# Altium PCB XTIDA-010086.PcbDoc (part 10 of 17) (continued)
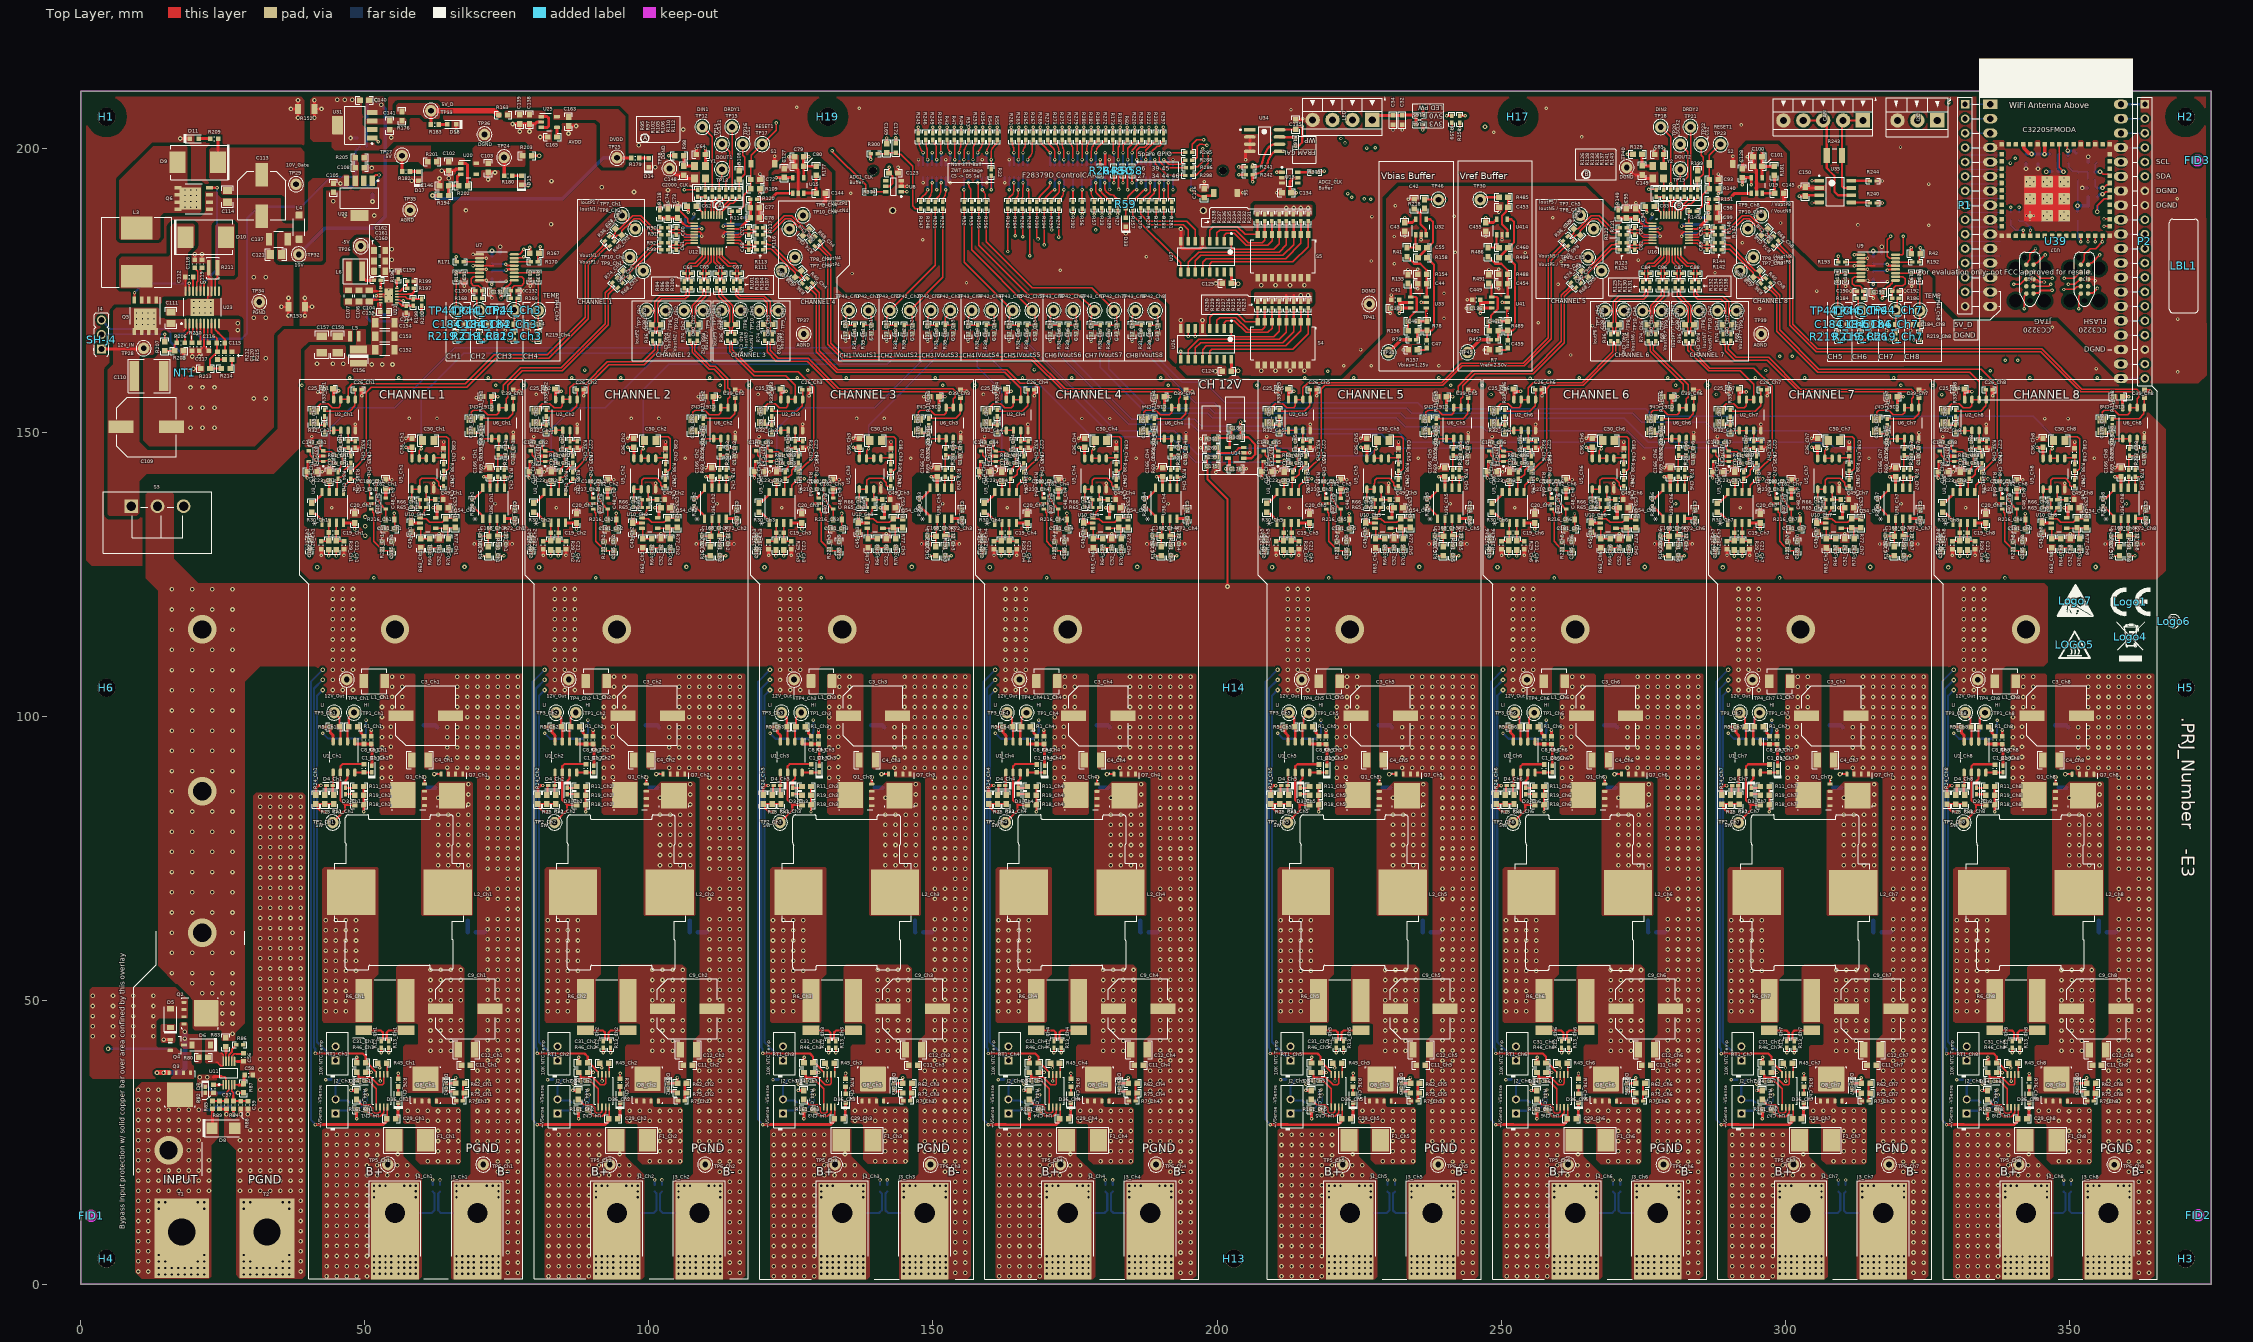
[diagram p0: Top Layer view]
## Nets (pads, with @x,y where several pads share a name; then routed paths per layer and width w, separated by ;. In a path a pad name is that pad's centre, name@x,y a point inside that pad or via, vN(x,y) a via of type N, cw(c..) or ccw(c..) an arc to the next point about the centre after c; other vN are vias at no path point) (continued)
  Top Layer w0.254: R71_Ch8.2@357.624,152.376 362.357,152.376 363.172,153.191 363.172,154.232 U6_Ch8.5@363.238,154.298 C39_Ch8.2@363.238,156.004
NetC42_1: C42.1 R218.2 U32.3 | length 6.8
  Top Layer w0.381: C42.1@234.694,189.347 234.694,189.322 235.422,188.594 235.799,188.594 ; R218.2@236.525,189.344 236.525,189.319 235.799,188.594 ; U32.3@236.867,184.72 236.757,184.83 236.757,185.67 235.799,186.628 235.799,188.594
NetC44_1: C44.1 R41.2 R154.2 U33.3 | length 9.2
  Top Layer w0.381: R41.2@233.453,180.876 234.701,179.628 235.799,179.628 236.927,178.5 R154.2@236.927,177.763
  Top Layer w0.508: U33.3@236.825,173.761 236.927,173.863 C44.1@236.927,176.11 R154.2@236.927,177.763
NetC46_1: C46.1 R78.1 U33.1 | length 4.1
  Top Layer w0.381: C46.1@235.244,169.509 R78.1@236.925,169.509 ; U33.1@236.825,171.861 236.825,169.61 R78.1@236.925,169.509 ; R78.1@236.958,169.476 R78.1@236.925,169.509
NetC46_2: C46.2 R155.2 R156.1 U33.4 | length 10.1
  Top Layer w0.381: R155.2@233.611,176.141 234.094,175.658 U33.4@234.094,173.761 234.996,173.761 235.151,173.605 235.151,171.413 233.953,170.214 233.953,169.794 233.669,169.509 C46.2@233.644,169.509 R156.1@233.644,167.844
NetC47_1: C47.1 R78.2 R79.1 R156.2 R158.2 | length 19.4
  Top Layer w0.381: R79.1@235.094,166.258 235.244,166.407 R156.2@235.244,167.844 235.276,167.876 R78.2@236.958,167.876 ; C47.1@236.927,166.196 236.958,166.227 R78.2@236.958,167.876 ; R158.2@236.971,180.711 238.177,179.504 238.177,168.271 237.782,167.876 R78.2@236.958,167.876
NetC47_2: C47.2 R157.2 | length 1.8
  Top Layer w0.381: R157.2@235.244,164.455 236.586,164.455 C47.2@236.927,164.796
NetC48_Ch1_1: C48_Ch1.1 R67_Ch1.1 U5_Ch1.1 U5_Ch1.2 | length 10.1
  Top Layer w0.254: C48_Ch1.1@58.281,138.02 58.287,138.025 58.287,139.921 U5_Ch1.1@58.293,139.927 U5_Ch1.2@59.563,139.927 59.629,139.993 59.629,140.957 59.637,140.965 59.637,141.489 60.009,141.861 62.289,141.861 63.031,141.12 63.031,140.652 63.181,140.502 R67_Ch1.1@63.833,140.502 ; R67_Ch1.1@63.833,140.452 R67_Ch1.1@63.833,140.502 ; R67_Ch1.1@63.833,140.552 R67_Ch1.1@63.833,140.502
NetC48_Ch1_2: C48_Ch1.2 R65_Ch1.2 R66_Ch1.1 | length 2.7
  Top Layer w0.254: C48_Ch1.2@58.331,136.77 59.588,136.77 59.637,136.82 R66_Ch1.1@59.637,138.118
  Top Layer w0.381: C48_Ch1.2@58.281,136.82 C48_Ch1.2@58.331,136.77
NetC48_Ch2_1: C48_Ch2.1 R67_Ch2.1 U5_Ch2.1 U5_Ch2.2 | length 10.1
  Top Layer w0.254: C48_Ch2.1@97.347,138.018 97.352,138.023 97.352,139.919 U5_Ch2.1@97.358,139.925 U5_Ch2.2@98.628,139.925 98.694,139.991 98.694,140.955 98.702,140.963 98.702,141.487 99.074,141.859 101.354,141.859 102.096,141.118 102.096,140.65 102.246,140.5 R67_Ch2.1@102.899,140.5 ; R67_Ch2.1@102.899,140.45 R67_Ch2.1@102.899,140.5 ; R67_Ch2.1@102.899,140.55 R67_Ch2.1@102.899,140.5
NetC48_Ch2_2: C48_Ch2.2 R65_Ch2.2 R66_Ch2.1 | length 2.7
  Top Layer w0.254: C48_Ch2.2@97.396,136.768 98.653,136.768 98.702,136.818 R66_Ch2.1@98.702,138.116
  Top Layer w0.381: C48_Ch2.2@97.347,136.818 C48_Ch2.2@97.396,136.768
NetC48_Ch3_1: C48_Ch3.1 R67_Ch3.1 U5_Ch3.1 U5_Ch3.2 | length 10.1
  Top Layer w0.254: C48_Ch3.1@137.021,138.016 137.027,138.021 137.027,139.917 U5_Ch3.1@137.033,139.923 U5_Ch3.2@138.303,139.923 138.369,139.989 138.369,140.953 138.377,140.961 138.377,141.485 138.749,141.857 141.029,141.857 141.771,141.116 141.771,140.648 141.921,140.498 R67_Ch3.1@142.573,140.498 ; R67_Ch3.1@142.573,140.448 R67_Ch3.1@142.573,140.498 ; R67_Ch3.1@142.573,140.548 R67_Ch3.1@142.573,140.498
NetC48_Ch3_2: C48_Ch3.2 R65_Ch3.2 R66_Ch3.1 | length 2.7
  Top Layer w0.254: C48_Ch3.2@137.071,136.766 138.328,136.766 138.377,136.816 R66_Ch3.1@138.377,138.114
  Top Layer w0.381: C48_Ch3.2@137.021,136.816 C48_Ch3.2@137.071,136.766
NetC48_Ch4_1: C48_Ch4.1 R67_Ch4.1 U5_Ch4.1 U5_Ch4.2 | length 10.1
  Top Layer w0.254: C48_Ch4.1@176.696,138.014 176.702,138.019 176.702,139.915 U5_Ch4.1@176.708,139.921 U5_Ch4.2@177.978,139.921 178.044,139.987 178.044,140.951 178.052,140.959 178.052,141.483 178.424,141.855 180.704,141.855 181.445,141.114 181.445,140.646 181.596,140.496 R67_Ch4.1@182.248,140.496 ; R67_Ch4.1@182.248,140.446 R67_Ch4.1@182.248,140.496 ; R67_Ch4.1@182.248,140.546 R67_Ch4.1@182.248,140.496
NetC48_Ch4_2: C48_Ch4.2 R65_Ch4.2 R66_Ch4.1 | length 2.7
  Top Layer w0.254: C48_Ch4.2@176.745,136.764 178.003,136.764 178.052,136.814 R66_Ch4.1@178.052,138.112
  Top Layer w0.381: C48_Ch4.2@176.696,136.814 C48_Ch4.2@176.745,136.764
NetC48_Ch5_1: C48_Ch5.1 R67_Ch5.1 U5_Ch5.1 U5_Ch5.2 | length 10.1
  Top Layer w0.254: C48_Ch5.1@226.371,138.012 226.377,138.017 226.377,139.913 U5_Ch5.1@226.383,139.919 U5_Ch5.2@227.653,139.919 227.719,139.985 227.719,140.949 227.727,140.957 227.727,141.481 228.099,141.853 230.379,141.853 231.12,141.112 231.12,140.644 231.27,140.494 R67_Ch5.1@231.923,140.494 ; R67_Ch5.1@231.923,140.444 R67_Ch5.1@231.923,140.494 ; R67_Ch5.1@231.923,140.544 R67_Ch5.1@231.923,140.494
NetC48_Ch5_2: C48_Ch5.2 R65_Ch5.2 R66_Ch5.1 | length 2.7
  Top Layer w0.254: C48_Ch5.2@226.42,136.762 227.677,136.762 227.727,136.812 R66_Ch5.1@227.727,138.11
  Top Layer w0.381: C48_Ch5.2@226.371,136.812 C48_Ch5.2@226.42,136.762
NetC48_Ch6_1: C48_Ch6.1 R67_Ch6.1 U5_Ch6.1 U5_Ch6.2 | length 10.1
  Top Layer w0.254: C48_Ch6.1@266.046,138.01 266.052,138.015 266.052,139.911 U5_Ch6.1@266.057,139.917 U5_Ch6.2@267.327,139.917 267.394,139.983 267.394,140.947 267.402,140.955 267.402,141.479 267.774,141.851 270.053,141.851 270.795,141.11 270.795,140.642 270.945,140.492 R67_Ch6.1@271.598,140.492 ; R67_Ch6.1@271.598,140.442 R67_Ch6.1@271.598,140.492 ; R67_Ch6.1@271.598,140.542 R67_Ch6.1@271.598,140.492
NetC48_Ch6_2: C48_Ch6.2 R65_Ch6.2 R66_Ch6.1 | length 2.7
  Top Layer w0.254: C48_Ch6.2@266.095,136.76 267.352,136.76 267.402,136.81 R66_Ch6.1@267.402,138.108
  Top Layer w0.381: C48_Ch6.2@266.046,136.81 C48_Ch6.2@266.095,136.76
NetC48_Ch7_1: C48_Ch7.1 R67_Ch7.1 U5_Ch7.1 U5_Ch7.2 | length 10.1
  Top Layer w0.254: C48_Ch7.1@305.721,138.008 305.726,138.013 305.726,139.909 U5_Ch7.1@305.732,139.915 U5_Ch7.2@307.002,139.915 307.068,139.981 307.068,140.945 307.076,140.953 307.076,141.477 307.448,141.849 309.728,141.849 310.47,141.108 310.47,140.64 310.62,140.49 R67_Ch7.1@311.273,140.49 ; R67_Ch7.1@311.273,140.44 R67_Ch7.1@311.273,140.49 ; R67_Ch7.1@311.273,140.54 R67_Ch7.1@311.273,140.49
NetC48_Ch7_2: C48_Ch7.2 R65_Ch7.2 R66_Ch7.1 | length 2.7
  Top Layer w0.254: C48_Ch7.2@305.77,136.758 307.027,136.758 307.076,136.808 R66_Ch7.1@307.076,138.106
  Top Layer w0.381: C48_Ch7.2@305.721,136.808 C48_Ch7.2@305.77,136.758
NetC48_Ch8_1: C48_Ch8.1 R67_Ch8.1 U5_Ch8.1 U5_Ch8.2 | length 10.1
  Top Layer w0.254: C48_Ch8.1@345.395,138.006 345.401,138.011 345.401,139.907 U5_Ch8.1@345.407,139.913 U5_Ch8.2@346.677,139.913 346.743,139.979 346.743,140.943 346.751,140.951 346.751,141.475 347.123,141.847 349.403,141.847 350.145,141.106 350.145,140.638 350.295,140.488 R67_Ch8.1@350.947,140.488 ; R67_Ch8.1@350.947,140.438 R67_Ch8.1@350.947,140.488 ; R67_Ch8.1@350.947,140.538 R67_Ch8.1@350.947,140.488
NetC48_Ch8_2: C48_Ch8.2 R65_Ch8.2 R66_Ch8.1 | length 2.7
  Top Layer w0.254: C48_Ch8.2@345.445,136.756 346.702,136.756 346.751,136.806 R66_Ch8.1@346.751,138.104
  Top Layer w0.381: C48_Ch8.2@345.395,136.806 C48_Ch8.2@345.445,136.756
NetC49_Ch1_2: C49_Ch1.2 R66_Ch1.2 U5_Ch1.3 | length 3.3
  Top Layer w0.254: U5_Ch1.3@60.833,139.927 60.833,138.122 R66_Ch1.2@60.837,138.118 C49_Ch1.2@62.356,138.118
NetC49_Ch2_2: C49_Ch2.2 R66_Ch2.2 U5_Ch2.3 | length 3.3
  Top Layer w0.254: U5_Ch2.3@99.898,139.925 99.898,138.12 R66_Ch2.2@99.902,138.116 C49_Ch2.2@101.421,138.116
NetC49_Ch3_2: C49_Ch3.2 R66_Ch3.2 U5_Ch3.3 | length 3.3
  Top Layer w0.254: U5_Ch3.3@139.573,139.923 139.573,138.118 R66_Ch3.2@139.577,138.114 C49_Ch3.2@141.096,138.114
NetC49_Ch4_2: C49_Ch4.2 R66_Ch4.2 U5_Ch4.3 | length 3.3
  Top Layer w0.254: U5_Ch4.3@179.248,139.921 179.248,138.116 R66_Ch4.2@179.252,138.112 C49_Ch4.2@180.77,138.112
NetC49_Ch5_2: C49_Ch5.2 R66_Ch5.2 U5_Ch5.3 | length 3.3
  Top Layer w0.254: U5_Ch5.3@228.923,139.919 228.923,138.114 R66_Ch5.2@228.927,138.11 C49_Ch5.2@230.445,138.11
NetC49_Ch6_2: C49_Ch6.2 R66_Ch6.2 U5_Ch6.3 | length 3.3
  Top Layer w0.254: U5_Ch6.3@268.597,139.917 268.597,138.112 R66_Ch6.2@268.602,138.108 C49_Ch6.2@270.12,138.108
NetC49_Ch7_2: C49_Ch7.2 R66_Ch7.2 U5_Ch7.3 | length 3.3
  Top Layer w0.254: U5_Ch7.3@308.272,139.915 308.272,138.11 R66_Ch7.2@308.276,138.106 C49_Ch7.2@309.795,138.106
NetC49_Ch8_2: C49_Ch8.2 R66_Ch8.2 U5_Ch8.3 | length 3.3
  Top Layer w0.254: U5_Ch8.3@347.947,139.913 347.947,138.108 R66_Ch8.2@347.951,138.104 C49_Ch8.2@349.47,138.104
NetC50_Ch1_1: C50_Ch1.1 R39_Ch1.1 U5_Ch1.6 U5_Ch1.7 | length 97.5
  Top Layer w0.254: v2@59.911,147.08 59.563,146.733 U5_Ch1.7@59.563,145.377 U5_Ch1.6@60.833,145.377 ; v2(59.912,147.082) 59.912,148.253 C50_Ch1.1@60.147,148.488 ; v2(137.77,165.826) R39_Ch1.1@137.77,167.611
  Bottom Layer w0.254: v2(59.912,147.082) 59.912,156.407 67.412,163.906 135.85,163.906 v2(137.77,165.826)
NetC50_Ch1_2: C50_Ch1.2 R38_Ch1.1 R67_Ch1.2 | length 10.9
  Top Layer w0.254: C50_Ch1.2@62.179,148.488 62.179,148.653 62.687,149.161 64.347,149.161 64.719,148.79 64.719,143.551 64.347,143.179 R38_Ch1.1@63.857,143.179 63.845,143.167 63.845,141.664 R67_Ch1.2@63.833,141.652
NetC50_Ch2_1: C50_Ch2.1 R39_Ch2.1 U5_Ch2.6 U5_Ch2.7 | length 66.7
  Top Layer w0.254: v2@98.976,147.078 98.628,146.731 U5_Ch2.7@98.628,145.375 U5_Ch2.6@99.898,145.375 ; v2(98.977,147.08) 98.977,148.251 C50_Ch2.1@99.212,148.486 ; v2(144.958,166.001) 144.965,166.007 144.965,167.604 R39_Ch2.1@144.971,167.611
  Bottom Layer w0.254: v2(98.977,147.08) 98.977,157.411 103.491,161.925 141.935,161.925 144.958,164.948 v2(144.958,166.001)
NetC50_Ch2_2: C50_Ch2.2 R38_Ch2.1 R67_Ch2.2 | length 10.7
  Top Layer w0.254: C50_Ch2.2@101.168,148.911 101.417,149.16 103.412,149.16 103.784,148.788 103.784,143.549 103.412,143.177 R38_Ch2.1@102.922,143.177 102.911,143.165 102.911,141.662 R67_Ch2.2@102.899,141.65
NetC50_Ch3_1: C50_Ch3.1 R39_Ch3.1 U5_Ch3.6 U5_Ch3.7 | length 30.8
  Top Layer w0.254: v2@138.651,147.076 138.303,146.729 U5_Ch3.7@138.303,145.373 U5_Ch3.6@139.573,145.373 ; v2(138.652,147.078) 138.652,148.249 C50_Ch3.1@138.887,148.484 ; R39_Ch3.1@152.173,167.611 152.187,167.597 152.187,166.014 v2(152.2,166.001)
  Bottom Layer w0.254: v2(138.652,147.078) 138.652,151.225 152.2,164.773 v2(152.2,166.001)
NetC50_Ch3_2: C50_Ch3.2 R38_Ch3.1 R67_Ch3.2 | length 10.7
  Top Layer w0.254: C50_Ch3.2@140.843,148.909 141.092,149.158 143.087,149.158 143.459,148.786 143.459,143.547 143.087,143.175 R38_Ch3.1@142.597,143.175 142.585,143.163 142.585,141.66 R67_Ch3.2@142.573,141.648
NetC50_Ch4_1: C50_Ch4.1 R39_Ch4.1 U5_Ch4.6 U5_Ch4.7 | length 35.3
  Top Layer w0.254: v2@159.375,166.028 R39_Ch4.1@159.375,167.611 ; v2@178.325,147.074 177.978,146.727 U5_Ch4.7@177.978,145.371 U5_Ch4.6@179.248,145.371 ; v2(178.327,147.076) 178.327,148.247 C50_Ch4.1@178.562,148.482
  Bottom Layer w0.254: v2(159.37,166.001) 159.37,163.822 165.204,157.988 169.164,157.988 178.327,148.825 v2(178.327,147.076)
NetC50_Ch4_2: C50_Ch4.2 R38_Ch4.1 R67_Ch4.2 | length 10.7
  Top Layer w0.254: C50_Ch4.2@180.518,148.909 180.766,149.158 182.762,149.158 183.134,148.786 183.134,143.547 182.762,143.175 182.272,143.175 182.26,143.163 182.26,141.66 R67_Ch4.2@182.248,141.646
NetC50_Ch5_1: C50_Ch5.1 R39_Ch5.1 U5_Ch5.6 U5_Ch5.7 | length 77.5
  Top Layer w0.254: v2@166.576,166.028 R39_Ch5.1@166.576,167.611 ; v2@228,147.072 227.653,146.725 U5_Ch5.7@227.653,145.369 U5_Ch5.6@228.923,145.369 ; v2(228.002,147.074) 228.002,148.245 C50_Ch5.1@228.237,148.48
  Bottom Layer w0.254: v2(166.572,166.001) 166.572,165.76 182.142,150.19 192.491,150.19 196.555,146.126 203.302,146.126 204.302,147.126 214.463,147.126 215.799,145.789 226.717,145.789 v2(228.002,147.074)
NetC50_Ch5_2: C50_Ch5.2 R38_Ch5.1 R67_Ch5.2 | length 10.7
  Top Layer w0.254: C50_Ch5.2@230.193,148.909 230.441,149.158 232.437,149.158 232.809,148.786 232.809,143.547 232.437,143.175 231.947,143.175 231.935,143.163 231.935,141.66 R67_Ch5.2@231.923,141.648
NetC50_Ch6_1: C50_Ch6.1 R39_Ch6.1 U5_Ch6.6 U5_Ch6.7 | length 109.7
  Top Layer w0.254: v2@173.778,166.028 R39_Ch6.1@173.778,167.611 ; v2@267.675,147.07 267.327,146.723 U5_Ch6.7@267.327,145.367 U5_Ch6.6@268.597,145.367 ; v2(267.676,147.072) 267.676,148.243 C50_Ch6.1@267.912,148.478
  Bottom Layer w0.254: v2(173.774,166.001) 173.774,163.497 185.023,152.248 196.113,152.248 197.349,151.012 211.351,151.012 211.871,150.493 231.437,150.493 233.687,148.243 267.039,148.243 267.608,147.674 267.608,147.14 v2(267.676,147.072)
NetC50_Ch6_2: C50_Ch6.2 R38_Ch6.1 R67_Ch6.2 | length 10.7
  Top Layer w0.254: C50_Ch6.2@269.867,148.909 270.116,149.158 272.112,149.158 272.484,148.786 272.484,143.547 272.112,143.175 271.622,143.175 271.61,143.163 271.61,141.66 R67_Ch6.2@271.598,141.648
NetC50_Ch7_1: C50_Ch7.1 R39_Ch7.1 U5_Ch7.6 U5_Ch7.7 | length 143.3
  Top Layer w0.254: v2@180.98,166.028 R39_Ch7.1@180.98,167.611 ; v2@307.35,147.068 307.002,146.721 U5_Ch7.7@307.002,145.365 U5_Ch7.6@308.272,145.365 ; v2(307.351,147.07) 307.351,148.241 C50_Ch7.1@307.586,148.476
  Bottom Layer w0.254: v2(180.975,166.001) 180.975,161.101 187.873,154.203 198.766,154.203 199.629,153.34 232.308,153.34 233.223,152.425 271.689,152.425 275.875,148.239 306.153,148.239 307.351,147.041 v2(307.351,147.07)
NetC50_Ch7_2: C50_Ch7.2 R38_Ch7.1 R67_Ch7.2 | length 10.7
  Top Layer w0.254: C50_Ch7.2@309.542,148.909 309.791,149.158 311.786,149.158 312.158,148.786 312.158,143.547 311.786,143.175 311.296,143.175 311.285,143.163 311.285,141.66 R67_Ch7.2@311.273,141.648
NetC50_Ch8_1: C50_Ch8.1 R39_Ch8.1 U5_Ch8.6 U5_Ch8.7 | length 175.1
  Top Layer w0.254: v2@188.181,166.028 R39_Ch8.1@188.181,167.611 ; v2@347.025,147.066 346.677,146.719 U5_Ch8.7@346.677,145.363 U5_Ch8.6@347.947,145.363 ; v2(347.026,147.068) 347.026,148.239 C50_Ch8.1@347.261,148.474
  Bottom Layer w0.254: v2(188.177,166.001) 188.177,164.504 193.88,158.801 197.815,158.801 201.439,155.177 235.297,155.177 236.372,154.102 275.463,154.102 276.809,152.756 343.66,152.756 347.026,149.39 v2(347.026,147.068)
NetC50_Ch8_2: C50_Ch8.2 R38_Ch8.1 R67_Ch8.2 | length 10.7
  Top Layer w0.254: C50_Ch8.2@349.217,148.909 349.466,149.158 351.461,149.158 351.833,148.786 351.833,143.547 351.461,143.175 350.971,143.175 350.959,143.163 350.959,141.66 R67_Ch8.2@350.947,141.648
NetC51_1: C51.1 R159.2 U7.6 | length 4.1
  Top Layer w0.254: R159.2@66.088,177.962 66.138,178.012 U7.6@70.188,178.012
NetC54_Ch1_1: C54_Ch1.1 R70_Ch1.2 R77_Ch1.1 U10_Ch1.4 | length 5.7
  Top Layer w0.254: U10_Ch1.4@62.462,133.046 64.117,133.046 R77_Ch1.1@64.262,133.191 ; R70_Ch1.2@64.719,131.209 64.61,131.318 64.61,132.843 R77_Ch1.1@64.262,133.191 ; C54_Ch1.1@65.913,133.191 R77_Ch1.1@64.262,133.191
NetC54_Ch1_2: C54_Ch1.2 R65_Ch1.1 R77_Ch1.2 U10_Ch1.1 | length 9.3
  Top Layer w0.254: R65_Ch1.1@60.837,136.721 60.737,136.721 60.564,136.548 60.564,136.176 60.356,135.968 60.356,135.699 60.085,135.428 60.085,135.119 59.912,134.946 U10_Ch1.1@59.712,134.946 59.885,134.773 60.775,134.773 61.443,134.105 63.576,134.105 63.889,134.418 63.914,134.418 64.262,134.766 R77_Ch1.2@64.262,134.791 C54_Ch1.2@65.913,134.791
NetC54_Ch2_1: C54_Ch2.1 R70_Ch2.2 R77_Ch2.1 U10_Ch2.4 | length 5.7
  Top Layer w0.254: U10_Ch2.4@101.527,133.044 103.183,133.044 R77_Ch2.1@103.327,133.189 ; R70_Ch2.2@103.784,131.207 103.675,131.316 103.675,132.841 R77_Ch2.1@103.327,133.189 ; C54_Ch2.1@104.978,133.189 R77_Ch2.1@103.327,133.189
NetC54_Ch2_2: C54_Ch2.2 R65_Ch2.1 R77_Ch2.2 U10_Ch2.1 | length 9.3
  Top Layer w0.254: R65_Ch2.1@99.902,136.719 99.802,136.719 99.629,136.546 99.629,136.174 99.421,135.966 99.421,135.697 99.15,135.426 99.15,135.117 98.977,134.944 U10_Ch2.1@98.777,134.944 98.95,134.771 99.84,134.771 100.508,134.103 102.642,134.103 102.954,134.416 102.979,134.416 103.327,134.764 R77_Ch2.2@103.327,134.789 C54_Ch2.2@104.978,134.789
NetC54_Ch3_1: C54_Ch3.1 R70_Ch3.2 R77_Ch3.1 U10_Ch3.4 | length 5.7
  Top Layer w0.254: U10_Ch3.4@141.202,133.042 142.857,133.042 R77_Ch3.1@143.002,133.187 ; R70_Ch3.2@143.459,131.205 143.35,131.314 143.35,132.839 R77_Ch3.1@143.002,133.187 ; C54_Ch3.1@144.653,133.187 R77_Ch3.1@143.002,133.187
NetC54_Ch3_2: C54_Ch3.2 R65_Ch3.1 R77_Ch3.2 U10_Ch3.1 | length 9.3
  Top Layer w0.254: R65_Ch3.1@139.577,136.717 139.477,136.717 139.304,136.544 139.304,136.172 139.096,135.964 139.096,135.695 138.825,135.424 138.825,135.115 138.652,134.942 U10_Ch3.1@138.452,134.942 138.625,134.769 139.515,134.769 140.183,134.101 142.316,134.101 142.629,134.414 142.654,134.414 143.002,134.762 R77_Ch3.2@143.002,134.787 C54_Ch3.2@144.653,134.787
NetC54_Ch4_1: C54_Ch4.1 R70_Ch4.2 R77_Ch4.1 U10_Ch4.4 | length 5.7
  Top Layer w0.254: U10_Ch4.4@180.877,133.04 182.532,133.04 R77_Ch4.1@182.677,133.185 ; R70_Ch4.2@183.134,131.203 183.025,131.312 183.025,132.837 R77_Ch4.1@182.677,133.185 ; C54_Ch4.1@184.328,133.185 R77_Ch4.1@182.677,133.185
NetC54_Ch4_2: C54_Ch4.2 R65_Ch4.1 R77_Ch4.2 U10_Ch4.1 | length 9.3
  Top Layer w0.254: R65_Ch4.1@179.252,136.715 179.152,136.715 178.979,136.542 178.979,136.17 178.771,135.962 178.771,135.693 178.5,135.422 178.5,135.113 178.327,134.94 U10_Ch4.1@178.127,134.94 178.3,134.767 179.189,134.767 179.857,134.099 181.991,134.099 182.304,134.412 182.329,134.412 182.677,134.76 R77_Ch4.2@182.677,134.785 C54_Ch4.2@184.328,134.785
NetC54_Ch5_1: C54_Ch5.1 R70_Ch5.2 R77_Ch5.1 U10_Ch5.4 | length 5.7
  Top Layer w0.254: U10_Ch5.4@230.552,133.038 232.207,133.038 R77_Ch5.1@232.352,133.183 ; R70_Ch5.2@232.809,131.201 232.7,131.31 232.7,132.835 R77_Ch5.1@232.352,133.183 ; C54_Ch5.1@234.003,133.183 R77_Ch5.1@232.352,133.183
NetC54_Ch5_2: C54_Ch5.2 R65_Ch5.1 R77_Ch5.2 U10_Ch5.1 | length 9.3
  Top Layer w0.254: R65_Ch5.1@228.927,136.713 228.827,136.713 228.654,136.54 228.654,136.168 228.446,135.96 228.446,135.691 228.175,135.42 228.175,135.111 228.002,134.938 U10_Ch5.1@227.802,134.938 227.975,134.765 228.864,134.765 229.532,134.097 231.666,134.097 231.979,134.41 232.004,134.41 232.352,134.758 R77_Ch5.2@232.352,134.783 C54_Ch5.2@234.003,134.783
NetC54_Ch6_1: C54_Ch6.1 R70_Ch6.2 R77_Ch6.1 U10_Ch6.4 | length 5.7
  Top Layer w0.254: U10_Ch6.4@270.226,133.036 271.882,133.036 R77_Ch6.1@272.026,133.181 ; R70_Ch6.2@272.484,131.199 272.374,131.308 272.374,132.833 R77_Ch6.1@272.026,133.181 ; C54_Ch6.1@273.677,133.181 R77_Ch6.1@272.026,133.181
NetC54_Ch6_2: C54_Ch6.2 R65_Ch6.1 R77_Ch6.2 U10_Ch6.1 | length 9.3
  Top Layer w0.254: R65_Ch6.1@268.602,136.711 268.502,136.711 268.329,136.538 268.329,136.166 268.121,135.958 268.121,135.689 267.849,135.418 267.849,135.109 267.676,134.936 U10_Ch6.1@267.476,134.936 267.649,134.763 268.539,134.763 269.207,134.095 271.341,134.095 271.653,134.408 271.678,134.408 272.026,134.756 R77_Ch6.2@272.026,134.781 C54_Ch6.2@273.677,134.781
NetC54_Ch7_1: C54_Ch7.1 R70_Ch7.2 R77_Ch7.1 U10_Ch7.4 | length 5.7
  Top Layer w0.254: U10_Ch7.4@309.901,133.034 311.557,133.034 R77_Ch7.1@311.701,133.179 ; R70_Ch7.2@312.158,131.197 312.049,131.306 312.049,132.831 R77_Ch7.1@311.701,133.179 ; C54_Ch7.1@313.352,133.179 R77_Ch7.1@311.701,133.179
NetC54_Ch7_2: C54_Ch7.2 R65_Ch7.1 R77_Ch7.2 U10_Ch7.1 | length 9.3
  Top Layer w0.254: R65_Ch7.1@308.276,136.709 308.176,136.709 308.003,136.536 308.003,136.164 307.795,135.956 307.795,135.687 307.524,135.416 307.524,135.107 307.351,134.934 U10_Ch7.1@307.151,134.934 307.324,134.761 308.214,134.761 308.882,134.093 311.016,134.093 311.328,134.406 311.353,134.406 311.701,134.754 R77_Ch7.2@311.701,134.779 C54_Ch7.2@313.352,134.779
NetC54_Ch8_1: C54_Ch8.1 R70_Ch8.2 R77_Ch8.1 U10_Ch8.4 | length 5.7
  Top Layer w0.254: U10_Ch8.4@349.576,133.032 351.231,133.032 R77_Ch8.1@351.376,133.177 ; R70_Ch8.2@351.833,131.195 351.724,131.304 351.724,132.829 R77_Ch8.1@351.376,133.177 ; C54_Ch8.1@353.027,133.177 R77_Ch8.1@351.376,133.177
NetC54_Ch8_2: C54_Ch8.2 R65_Ch8.1 R77_Ch8.2 U10_Ch8.1 | length 9.3
  Top Layer w0.254: R65_Ch8.1@347.951,136.707 347.851,136.707 347.678,136.534 347.678,136.162 347.47,135.954 347.47,135.685 347.199,135.414 347.199,135.105 347.026,134.932 U10_Ch8.1@346.826,134.932 346.999,134.759 347.889,134.759 348.557,134.091 350.69,134.091 351.003,134.404 351.028,134.404 351.376,134.752 R77_Ch8.2@351.376,134.777 C54_Ch8.2@353.027,134.777
NetC55_1: C55.1 R41.1 U32.1 | length 4.3
  Top Layer w0.381: R41.1@233.453,182.476 C55.1@235.371,182.476 234.967,182.88 U32.1@234.967,184.72
NetC55_2: C55.2 R158.1 U32.4 | length 8.7
  Top Layer w0.381: R158.1@235.371,180.711 238.005,183.345 238.005,187.013 237.548,187.47 U32.4@236.867,187.47
NetC56_2: C56.2 U11.7 | length 3.2
  Top Layer w0.254: U11.7@26.543,39.23 26.543,39.955 26.566,39.978 26.566,40.127 26.977,40.538 27.407,40.538
  Top Layer w0.381: 27.407,40.538 28.555,40.538 C56.2@28.634,40.618
NetC58_1: C58.1 R87.1 U11.5 | length 3.3
  Top Layer w0.254: U11.5@27.043,35.13 27.093,35.08 27.762,35.08
  Top Layer w0.508: 27.762,35.08 R87.1@28.634,35.08 ; R87.1@28.626,35.293 28.753,35.42 28.753,36.717 C58.1@28.878,36.843
NetC60_1: C60.1 R90.2 U12.29 | length 5.4
  Top Layer w0.254: R90.2@103.397,185.957 103.743,185.611 104.457,185.611 C60.1@104.803,185.957 105.149,185.611 105.697,185.611 106.54,184.768 107.148,184.768 107.152,184.764 U12.29@107.979,184.764
NetC60_2: C60.2 R91.2 U12.30 | length 5.4
  Top Layer w0.254: R91.2@103.397,184.733 103.767,185.103 104.457,185.103 C60.2@104.803,184.757 105.149,185.103 105.486,185.103 106.329,184.26 107.148,184.26 107.152,184.264 U12.30@107.979,184.264
NetC61_1: C61.1 R92.2 U12.31 | length 5.4
  Top Layer w0.254: R92.2@103.397,183.295 103.767,182.925 104.457,182.925 C61.1@104.803,183.271 105.149,182.925 105.486,182.925 106.329,183.768 107.148,183.768 107.152,183.764 U12.31@107.979,183.764
NetC61_2: C61.2 R93.2 U12.32 | length 5.4
  Top Layer w0.254: R93.2@103.397,182.071 103.743,182.417 104.457,182.417 C61.2@104.803,182.071 105.149,182.417 105.697,182.417 106.54,183.26 107.148,183.26 107.152,183.264 U12.32@107.979,183.264
NetC62_2: C62.2 U12.24 | length 2
  Top Layer w0.254: 108.981,189.145 109.429,188.697 U12.24@109.429,188.214
  Top Layer w0.381: C62.2@108.309,189.713 108.413,189.713 108.981,189.145
NetC63_1: C63.1 R94.2 U12.1 | length 7.5
  Top Layer w0.254: R94.2@106.237,176.505 106.593,176.861 106.593,177.566 C63.1@106.247,177.912 106.593,178.258 106.593,179.135 107.181,179.723 108.165,179.723 109.429,180.987 U12.1@109.429,181.814
NetC63_2: C63.2 R96.2 U12.2 | length 7.5
  Top Layer w0.254: R96.2@107.456,176.505 107.101,176.861 107.101,177.565 C63.2@107.447,177.912 107.101,178.257 107.101,178.924 107.391,179.215 108.375,179.215 109.937,180.776 109.937,180.987 ; U12.2@109.929,181.814 109.929,180.987 109.933,180.983
NetC65_1: C65.1 R99.2 U12.3 | length 6.3
  Top Layer w0.254: R99.2@109.158,176.505 109.516,176.863 109.516,177.577 C65.1@109.182,177.912 109.528,178.258 109.528,179.269 110.435,180.176 110.435,181.127 110.439,181.131 U12.3@110.439,181.958
NetC65_2: C65.2 R100.2 U12.4 | length 6.3
  Top Layer w0.254: R100.2@110.382,176.505 110.024,176.863 110.024,177.554 C65.2@110.382,177.912 110.036,178.257 110.036,179.058 110.943,179.966 110.943,181.127 110.939,181.131 U12.4@110.939,181.958
NetC66_1: C66.1 R101.2 U12.5 | length 6.3
  Top Layer w0.254: U12.5@111.418,181.958 111.418,181.131 111.414,181.127 111.414,179.966 112.322,179.058 112.322,178.257 C66.1@111.976,177.912 112.334,177.554 112.334,176.863 R101.2@111.976,176.505
NetC66_2: C66.2 R103.2 U12.6 | length 6.3
  Top Layer w0.254: U12.6@111.918,181.958 111.918,181.131 111.922,181.127 111.922,180.176 112.83,179.269 112.83,178.258 C66.2@113.176,177.912 112.842,177.577 112.842,176.863 R103.2@113.2,176.505
NetC67_1: C67.1 R104.2 U12.7 | length 7.5
  Top Layer w0.254: 112.421,180.987 112.421,180.776 113.982,179.215 114.966,179.215 115.257,178.924 115.257,178.257 C67.1@114.911,177.912 115.257,177.565 115.257,176.861 R104.2@114.901,176.505 ; 112.425,180.983 112.429,180.987 U12.7@112.429,181.814
NetC67_2: C67.2 R107.2 U12.8 | length 7.5
  Top Layer w0.254: U12.8@112.929,181.814 112.929,180.987 114.193,179.723 115.177,179.723 115.765,179.135 115.765,178.258 C67.2@116.111,177.912 115.765,177.566 115.765,176.861 R107.2@116.121,176.505
NetC68_1: C68.1 R111.2 U12.9 | length 5.4
  Top Layer w0.254: U12.9@114.379,183.264 115.206,183.264 115.21,183.26 115.818,183.26 116.661,182.417 117.208,182.417 C68.1@117.554,182.071 117.9,182.417 118.615,182.417 R111.2@118.961,182.071
NetC68_2: C68.2 R113.2 U12.10 | length 5.4
  Top Layer w0.254: U12.10@114.379,183.764 115.206,183.764 115.21,183.768 116.028,183.768 116.871,182.925 117.208,182.925 C68.2@117.554,183.271 117.9,182.925 118.591,182.925 R113.2@118.961,183.295
NetC69_1: C69.1 C70.1 R115.2 U12.27 | length 5.8
  Top Layer w0.254: U12.27@107.979,185.764 107.981,185.766 v2(109.284,185.766)
  Bottom Layer w0.508: R115.2@106.398,187.519 106.404,187.514 C69.1@106.404,186.068 106.408,186.064 C70.1@107.979,186.064 108.987,186.064 v2(109.284,185.766)
NetC71_1: C71.1 R116.2 U12.11 | length 5.4
  Top Layer w0.254: U12.11@114.379,184.264 115.206,184.264 115.21,184.26 116.028,184.26 116.871,185.103 117.208,185.103 C71.1@117.554,184.757 117.9,185.103 118.591,185.103 R116.2@118.961,184.733
NetC71_2: C71.2 R117.2 U12.12 | length 5.4
  Top Layer w0.254: U12.12@114.379,184.764 115.206,184.764 115.21,184.768 115.818,184.768 116.661,185.611 117.208,185.611 C71.2@117.554,185.957 117.9,185.611 118.615,185.611 R117.2@118.961,185.957
NetC73_1: C73.1 C74.1 R118.1 U12.26 | length 6.7
  Top Layer w0.254: 106.805,186.264 U12.26@107.979,186.264
  Top Layer w0.381: 105.925,186.801 106.462,186.264 106.805,186.264
  Top Layer w0.508: R118.1@101.908,187.843 102.057,187.694 C74.1@103.356,187.694 C73.1@105.032,187.694 105.925,186.801
NetC75_2: C75.2 C76.2 R119.2 U12.15 | length 5.8
  Top Layer w0.254: v2(113.076,186.264) U12.15@114.379,186.264
  Bottom Layer w0.508: v2(113.076,186.264) 113.376,186.564 C76.2@114.379,186.564 115.942,186.564 C75.2@115.954,186.576 117.45,186.576 R119.2@117.463,186.563
NetC81_1: C81.1 R121.2 U16.29 | length 5.4
  Top Layer w0.254: R121.2@272.096,185.949 272.442,185.603 273.157,185.603 C81.1@273.503,185.949 273.849,185.603 274.396,185.603 275.239,184.76 275.847,184.76 275.851,184.756 U16.29@276.678,184.756
NetC81_2: C81.2 R122.2 U16.30 | length 5.4
  Top Layer w0.254: R122.2@272.096,184.725 272.466,185.095 273.157,185.095 C81.2@273.503,184.749 273.849,185.095 274.185,185.095 275.028,184.252 275.847,184.252 275.851,184.256 U16.30@276.678,184.256
NetC82_1: C82.1 R123.2 U16.31 | length 5.4
  Top Layer w0.254: R123.2@272.096,183.287 272.466,182.917 273.157,182.917 C82.1@273.503,183.263 273.849,182.917 274.185,182.917 275.028,183.76 275.847,183.76 275.851,183.756 U16.31@276.678,183.756
NetC82_2: C82.2 R124.2 U16.32 | length 5.4
  Top Layer w0.254: R124.2@272.096,182.063 272.442,182.409 273.157,182.409 C82.2@273.503,182.063 273.849,182.409 274.396,182.409 275.239,183.252 275.847,183.252 275.851,183.256 U16.32@276.678,183.256
NetC83_2: C83.2 U16.24 | length 2
  Top Layer w0.254: 277.68,189.137 278.128,188.689 U16.24@278.128,188.206
  Top Layer w0.381: C83.2@277.008,189.705 277.112,189.705 277.68,189.137
NetC84_1: C84.1 R125.2 U16.1 | length 7.5
  Top Layer w0.254: R125.2@274.936,176.497 275.292,176.853 275.292,177.558 C84.1@274.946,177.904 275.292,178.25 275.292,179.127 275.88,179.715 276.864,179.715 278.128,180.979 U16.1@278.128,181.806
NetC84_2: C84.2 R127.2 U16.2 | length 7.5
  Top Layer w0.254: R127.2@276.155,176.497 275.8,176.853 275.8,177.558 C84.2@276.146,177.904 275.8,178.25 275.8,178.916 276.09,179.207 277.074,179.207 278.636,180.768 278.636,180.979 ; U16.2@278.628,181.806 278.628,180.979 278.632,180.975